# KiCad board Ashwing66_hard_prod.kicad_pcb
title: Ashwing66; date: 2024-05-09; rev: 1; company: James Gzowski
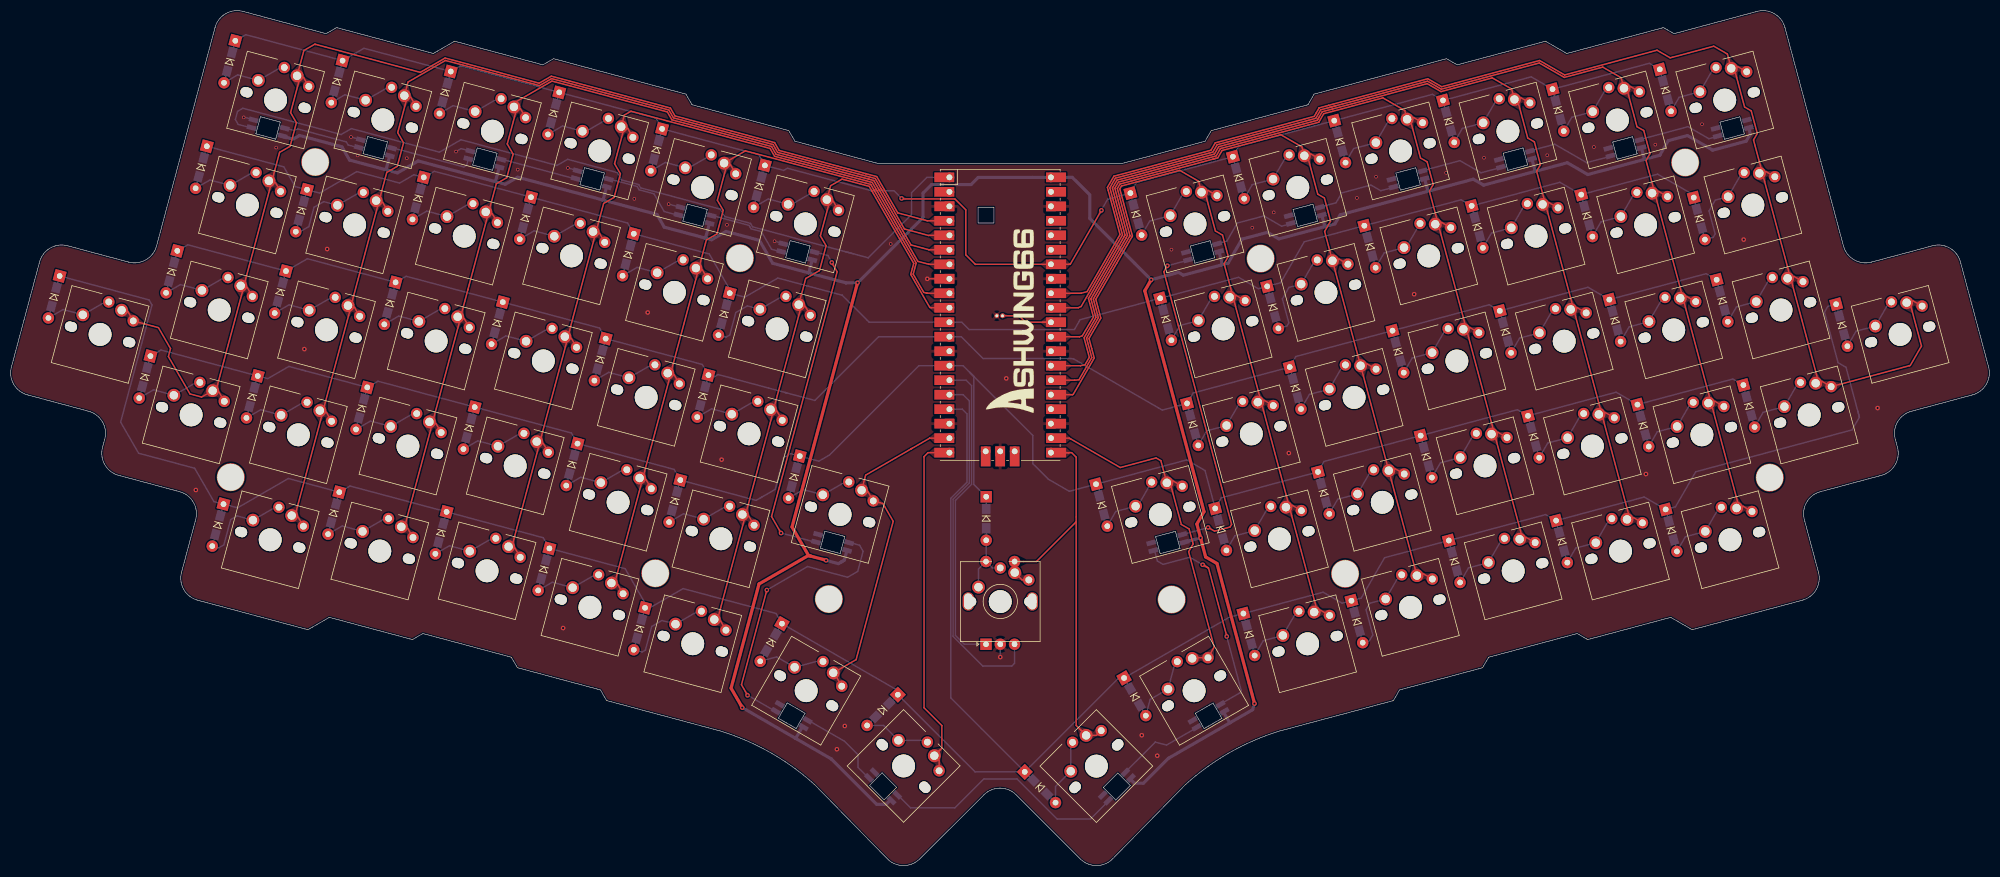
[diagram p0: board, top side]
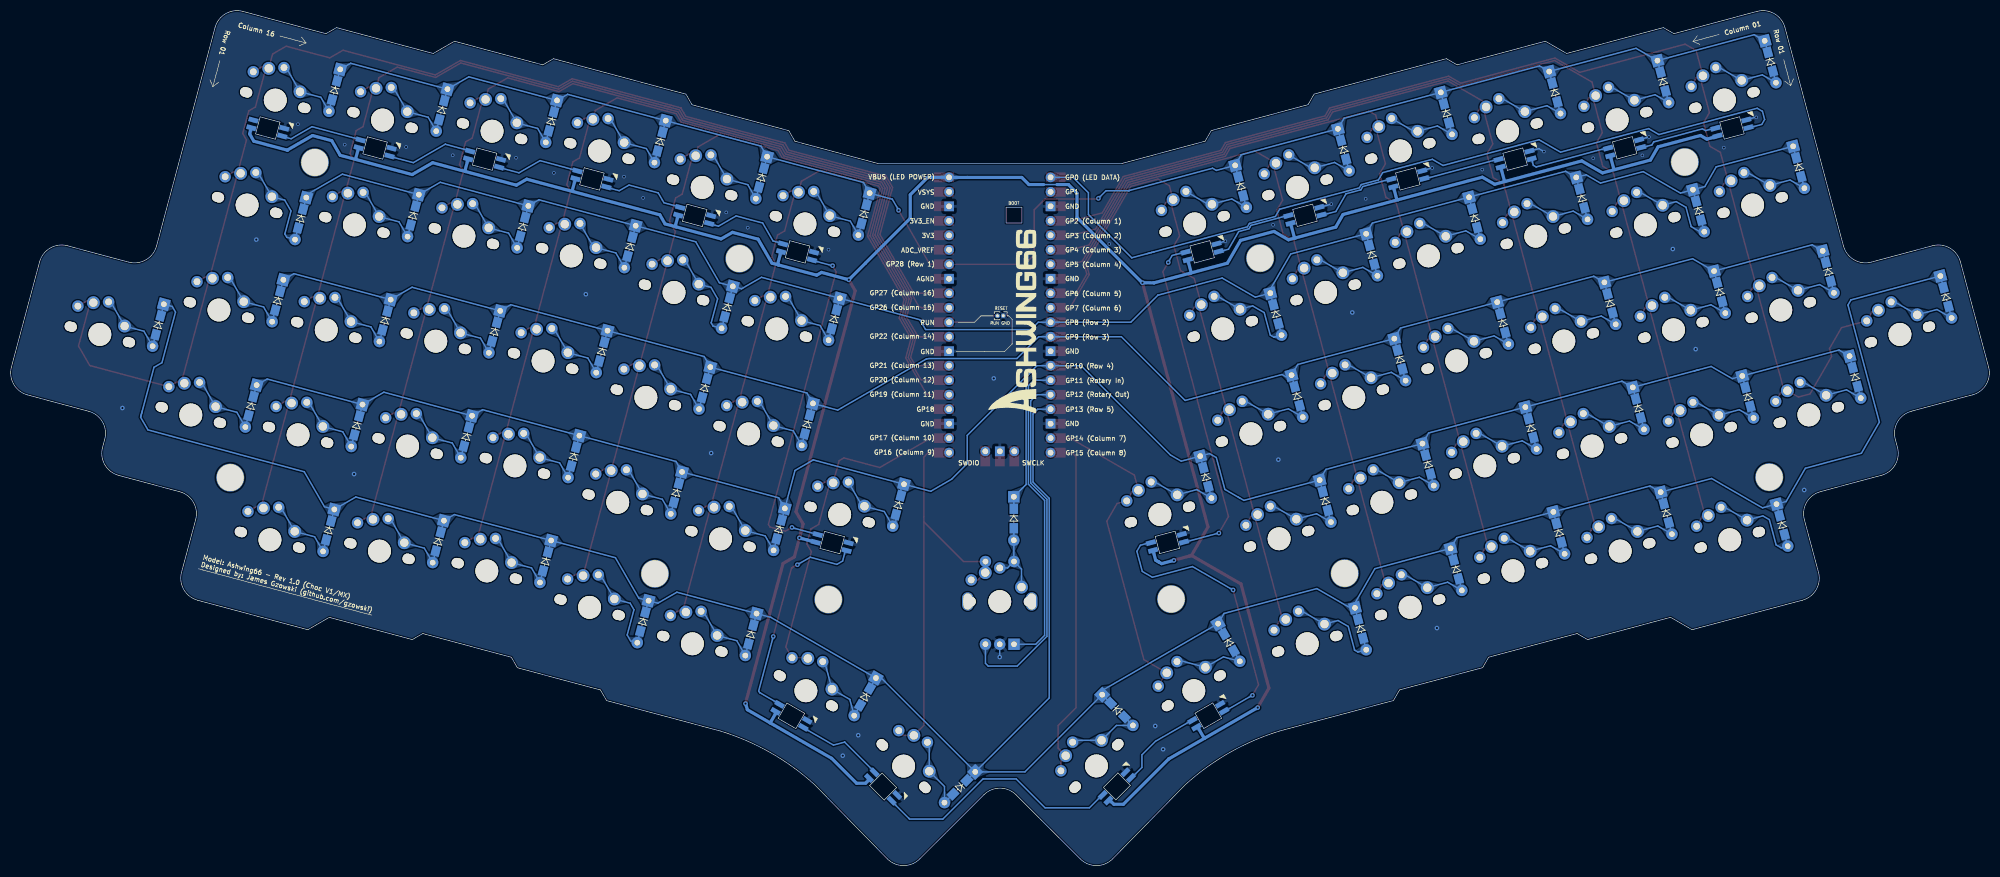
[diagram p1: board, bottom side, seen from below]

Outline 346.6 x 149.89 mm; copper layers: Top, Bottom. Coordinates in mm from the lower left corner of the outline.
Outline path: 169.46,115.42 172.23,115.42 172.23,112.65 169.46,112.65 closed ; 2.97,82.52 arc(0.54,84.38) 0.14,87.42 5.07,105.83 arc(6.93,108.26) 9.97,108.66 20.66,105.8 arc(23.69,106.2) 25.56,108.63 35.8,146.92 arc(37.67,149.35) 40.71,149.75 55.24,145.85 57.09,146.91 74.03,142.37 77.76,144.52 93.22,140.38 95.09,141.46 118.29,135.25 119.35,133.39 136.3,128.85 137.37,127 151.9,123.09 194.69,123.09 209.23,127 210.29,128.85 227.25,133.39 228.31,135.25 251.5,141.46 253.38,140.38 268.84,144.52 272.57,142.37 289.51,146.91 291.36,145.85 305.89,149.75 arc(308.93,149.35) 310.79,146.92 321.04,108.63 arc(322.9,106.2) 325.94,105.8 336.63,108.66 arc(339.66,108.26) 341.53,105.83 346.46,87.42 arc(346.06,84.38) 343.63,82.52 332.94,79.65 arc(330.51,77.79) 330.11,74.75 330.5,73.31 arc(330.1,70.27) 327.67,68.41 317.02,65.56 arc(314.59,63.69) 314.19,60.66 316.67,51.42 arc(316.27,48.39) 313.83,46.52 294.53,41.35 290.78,43.52 276.23,39.62 274.4,40.68 258.89,36.53 257.83,34.69 243.29,30.79 242.21,28.93 222.32,23.6 arc(213.52,19.81) 205.76,14.19 193.02,1.17 arc(190.19,0) 187.36,1.17 176.13,12.4 arc(173.3,13.58) 170.47,12.4 159.24,1.17 arc(156.41,0) 153.58,1.17 140.83,14.19 arc(133.08,19.81) 124.27,23.6 104.39,28.93 103.31,30.79 88.76,34.69 87.7,36.53 72.2,40.68 70.37,39.62 55.82,43.52 52.07,41.35 32.76,46.52 arc(30.33,48.39) 29.93,51.42 32.41,60.66 arc(32.01,63.69) 29.58,65.56 18.93,68.41 arc(16.5,70.27) 16.1,73.31 16.48,74.75 arc(16.08,77.79) 13.65,79.65 2.97,82.52
Stack: Top 0.035mm / dielectric 1.51mm FR4 er 4.5 / Bottom 0.035mm

## Placement (name value [footprint] x y rotation side)
D0  D  [Diode_THT_SOD123F_FIXED6]  38.36 140.92 255 bottom
D1  D  [Diode_THT_SOD123F_FIXED6]  57.15 137.44 255 bottom
D2  D  [Diode_THT_SOD123F_FIXED6]  76.11 135.53 255 bottom
D3  D  [Diode_THT_SOD123F_FIXED6]  95.11 131.87 255 bottom
D4  D  [Diode_THT_SOD123F_FIXED6]  113.12 125.48 255 bottom
D5  D  [Diode_THT_SOD123F_FIXED6]  131.13 119.08 255 bottom
D6  D  [Diode_THT_SOD123F_FIXED6]  197.12 114.21 285 bottom
D7  D  [Diode_THT_SOD123F_FIXED6]  215.08 120.6 285 bottom
D8  D  [Diode_THT_SOD123F_FIXED6]  232.84 126.93 285 bottom
D9  D  [Diode_THT_SOD123F_FIXED6]  251.88 130.46 285 bottom
D10  D  [Diode_THT_SOD123F_FIXED6]  271.07 132.44 285 bottom
D11  D  [Diode_THT_SOD123F_FIXED6]  289.86 135.92 285 bottom
D16  D  [Diode_THT_SOD123F_FIXED6]  33.38 122.43 255 bottom
D17  D  [Diode_THT_SOD123F_FIXED6]  50.93 114.81 255 bottom
D18  D  [Diode_THT_SOD123F_FIXED6]  71.37 116.97 255 bottom
D19  D  [Diode_THT_SOD123F_FIXED6]  90.16 113.5 255 bottom
D20  D  [Diode_THT_SOD123F_FIXED6]  108.17 107.08 255 bottom
D21  D  [Diode_THT_SOD123F_FIXED6]  124.97 96.68 255 bottom
D22  D  [Diode_THT_SOD123F_FIXED6]  202.34 95.78 285 bottom
D23  D  [Diode_THT_SOD123F_FIXED6]  221.08 97.87 285 bottom
D24  D  [Diode_THT_SOD123F_FIXED6]  238.1 108.5 285 bottom
D25  D  [Diode_THT_SOD123F_FIXED6]  256.9 111.98 285 bottom
D26  D  [Diode_THT_SOD123F_FIXED6]  276.09 113.95 285 bottom
D27  D  [Diode_THT_SOD123F_FIXED6]  295.8 113.44 285 bottom
D32  D  [Diode_THT_SOD123F_FIXED6]  7.6 99.69 255 bottom
D32#2  D  [Diode_THT_SOD123F_FIXED6]  137.24 68.11 255 bottom
D32#3  D  [Diode_THT_SOD123F_FIXED6]  28.21 104.09 255 bottom
D33  D  [Diode_THT_SOD123F_FIXED6]  47.24 100.54 255 bottom
D34  D  [Diode_THT_SOD123F_FIXED6]  66.44 98.57 255 bottom
D35  D  [Diode_THT_SOD123F_FIXED6]  85.23 95.1 255 bottom
D36  D  [Diode_THT_SOD123F_FIXED6]  103.24 88.71 255 bottom
D37  D  [Diode_THT_SOD123F_FIXED6]  121.25 82.3 255 bottom
D38  D  [Diode_THT_SOD123F_FIXED6]  207.05 77.34 285 bottom
D39  D  [Diode_THT_SOD123F_FIXED6]  225.03 83.72 285 bottom
D40  D  [Diode_THT_SOD123F_FIXED6]  243.03 90.1 285 bottom
D41  D  [Diode_THT_SOD123F_FIXED6]  261.83 93.58 285 bottom
D42  D  [Diode_THT_SOD123F_FIXED6]  281.02 95.55 285 bottom
D43  D  [Diode_THT_SOD123F_FIXED6]  299.81 99.03 285 bottom
D44  D  [Diode_THT_SOD123F_FIXED6]  191.1 63.19 285 bottom
D44#2  D  [Diode_THT_SOD123F_FIXED6]  320.75 94.74 285 bottom
D48  D  [Diode_THT_SOD123F_FIXED6]  23.51 85.64 255 bottom
D49  D  [Diode_THT_SOD123F_FIXED6]  42.3 82.16 255 bottom
D50  D  [Diode_THT_SOD123F_FIXED6]  61.48 80.15 255 bottom
D51  D  [Diode_THT_SOD123F_FIXED6]  80.3 76.7 255 bottom
D52  D  [Diode_THT_SOD123F_FIXED6]  98.31 70.31 255 bottom
D53  D  [Diode_THT_SOD123F_FIXED6]  116.32 63.9 255 bottom
D54  D  [Diode_THT_SOD123F_FIXED6]  211.98 58.94 285 bottom
D55  D  [Diode_THT_SOD123F_FIXED6]  229.98 65.34 285 bottom
D56  D  [Diode_THT_SOD123F_FIXED6]  247.96 71.7 285 bottom
D57  D  [Diode_THT_SOD123F_FIXED6]  266.76 75.18 285 bottom
D58  D  [Diode_THT_SOD123F_FIXED6]  285.95 77.15 285 bottom
D59  D  [Diode_THT_SOD123F_FIXED6]  304.49 80.56 285 bottom
D64  D  [Diode_THT_SOD123F_FIXED6]  36.3 59.69 255 bottom
D65  D  [Diode_THT_SOD123F_FIXED6]  56.59 61.79 255 bottom
D66  D  [Diode_THT_SOD123F_FIXED6]  75.38 58.33 255 bottom
D67  D  [Diode_THT_SOD123F_FIXED6]  93.39 51.93 255 bottom
D68  D  [Diode_THT_SOD123F_FIXED6]  110.14 41.51 255 bottom
D69  D  [Diode_THT_SOD123F_FIXED6]  133.2 39.12 240 bottom
D69#2  D  [Diode_THT_SOD123F_FIXED6]  152.71 27.27 225 bottom
D69#3  D  [Diode_THT_SOD123F_FIXED6]  170.88 60.85 270 bottom
D70  D  [Diode_THT_SOD123F_FIXED6]  196.94 29.59 300 bottom
D70#2  D  [Diode_THT_SOD123F_FIXED6]  180.33 13.74 315 bottom
D71  D  [Diode_THT_SOD123F_FIXED6]  216.92 40.51 285 bottom
D72  D  [Diode_THT_SOD123F_FIXED6]  235.85 42.76 285 bottom
D73  D  [Diode_THT_SOD123F_FIXED6]  252.9 53.32 285 bottom
D74  D  [Diode_THT_SOD123F_FIXED6]  271.69 56.8 285 bottom
D75  D  [Diode_THT_SOD123F_FIXED6]  290.88 58.76 285 bottom
G***  -  [LOGO]  175.3 95.38 90 top
G***#2  -  [LOGO]  170.86 95.3 90 bottom
K0  Blank  [SW_Cherry_Choc5_MX_1.00u_PCB_LED_SQUAREHOLE#2]  50.17 138.46 345 top
K1  Blank  [SW_Cherry_Choc5_MX_1.00u_PCB_LED_SQUAREHOLE#2]  68.96 134.98 345 top
K2  Blank  [SW_Cherry_Choc5_MX_1.00u_PCB_LED_SQUAREHOLE#2]  88.15 133 345 top
K3  Blank  [SW_Cherry_Choc5_MX_1.00u_PCB_LED_SQUAREHOLE#2]  106.95 129.54 345 top
K4  Blank  [SW_Cherry_Choc5_MX_1.00u_PCB_LED_SQUAREHOLE#2]  124.96 123.15 345 top
K5  Blank  [SW_Cherry_Choc5_MX_1.00u_PCB_LED_SQUAREHOLE#2]  142.97 116.75 345 top
K6  Blank  [SW_Cherry_Choc5_MX_1.00u_PCB_LED_SQUAREHOLE]  208.6 118.05 15 top
K7  Blank  [SW_Cherry_Choc5_MX_1.00u_PCB_LED_SQUAREHOLE]  226.61 124.45 15 top
K8  Blank  [SW_Cherry_Choc5_MX_1.00u_PCB_LED_SQUAREHOLE]  244.61 130.84 15 top
K9  Blank  [SW_Cherry_Choc5_MX_1.00u_PCB_LED_SQUAREHOLE]  263.41 134.31 15 top
K10  Blank  [SW_Cherry_Choc5_MX_1.00u_PCB_LED_SQUAREHOLE]  282.59 136.27 15 top
K11  Blank  [SW_Cherry_Choc5_MX_1.00u_PCB_LED_SQUAREHOLE]  301.38 139.77 15 top
K16  Blank  [SW_Cherry_Choc5_MX_1.00u_PCB_NOMODEL]  45.23 120.05 345 top
K17  Blank  [SW_Cherry_Choc5_MX_1.00u_PCB_NOMODEL]  64.02 116.57 345 top
K18  Blank  [SW_Cherry_Choc5_MX_1.00u_PCB_NOMODEL]  83.22 114.6 345 top
K19  Blank  [SW_Cherry_Choc5_MX_1.00u_PCB_NOMODEL]  102.02 111.14 345 top
K20  Blank  [SW_Cherry_Choc5_MX_1.00u_PCB_NOMODEL]  120.03 104.75 345 top
K21  Blank  [SW_Cherry_Choc5_MX_1.00u_PCB_NOMODEL]  138.04 98.34 345 top
K22  Blank  [SW_Cherry_Choc5_MX_1.00u_PCB_NOMODEL]  213.53 99.65 15 top
K23  Blank  [SW_Cherry_Choc5_MX_1.00u_PCB_NOMODEL]  231.53 106.04 15 top
K24  Blank  [SW_Cherry_Choc5_MX_1.00u_PCB_NOMODEL]  249.54 112.44 15 top
K25  Blank  [SW_Cherry_Choc5_MX_1.00u_PCB_NOMODEL]  268.34 115.91 15 top
K26  Blank  [SW_Cherry_Choc5_MX_1.00u_PCB_NOMODEL]  287.53 117.89 15 top
K27  Blank  [SW_Cherry_Choc5_MX_1.00u_PCB_NOMODEL]  306.32 121.37 15 top
K32  Blank  [SW_Cherry_Choc5_MX_1.00u_PCB_NOMODEL]  40.3 101.65 345 top
K33  Blank  [SW_Cherry_Choc5_MX_1.00u_PCB_NOMODEL]  59.09 98.17 345 top
K34  Blank  [SW_Cherry_Choc5_MX_1.00u_PCB_NOMODEL]  78.3 96.21 345 top
K35  Blank  [SW_Cherry_Choc5_MX_1.00u_PCB_NOMODEL]  97.08 92.73 345 top
K36  Blank  [SW_Cherry_Choc5_MX_1.00u_PCB_NOMODEL]  115.09 86.34 345 top
K37  Blank  [SW_Cherry_Choc5_MX_1.00u_PCB_NOMODEL]  175.88 51.36 0 top
K37#2  Blank  [SW_Cherry_Choc5_MX_1.00u_PCB_NOMODEL]  133.11 79.94 345 top
K38  Blank  [SW_Cherry_Choc5_MX_1.00u_PCB_NOMODEL]  218.46 81.25 15 top
K39  Blank  [SW_Cherry_Choc5_MX_1.00u_PCB_NOMODEL]  236.46 87.64 15 top
K40  Blank  [SW_Cherry_Choc5_MX_1.00u_PCB_NOMODEL]  254.47 94.03 15 top
K41  Blank  [SW_Cherry_Choc5_MX_1.00u_PCB_NOMODEL]  273.27 97.5 15 top
K42  Blank  [SW_Cherry_Choc5_MX_1.00u_PCB_NOMODEL]  292.45 99.47 15 top
K43  Blank  [SW_Cherry_Choc5_MX_1.00u_PCB_NOMODEL]  311.25 102.97 15 top
K44  Blank  [SW_Cherry_Choc5_MX_1.00u_PCB_LED_SQUAREHOLE]  202.52 67.1 15 top
K44#2  Blank  [SW_Cherry_Choc5_MX_1.00u_PCB_NOMODEL]  332.11 98.69 15 top
K48  Blank  [SW_Cherry_Choc5_MX_1.00u_PCB_NOMODEL]  35.38 83.26 345 top
K49  Blank  [SW_Cherry_Choc5_MX_1.00u_PCB_NOMODEL]  54.16 79.77 345 top
K50  Blank  [SW_Cherry_Choc5_MX_1.00u_PCB_NOMODEL]  73.36 77.8 345 top
K51  Blank  [SW_Cherry_Choc5_MX_1.00u_PCB_NOMODEL]  92.15 74.33 345 top
K52  Blank  [SW_Cherry_Choc5_MX_1.00u_PCB_NOMODEL]  110.17 67.95 345 top
K53  Blank  [SW_Cherry_Choc5_MX_1.00u_PCB_NOMODEL]  128.18 61.54 345 top
K54  Blank  [SW_Cherry_Choc5_MX_1.00u_PCB_NOMODEL]  223.39 62.83 15 top
K55  Blank  [SW_Cherry_Choc5_MX_1.00u_PCB_NOMODEL]  241.4 69.25 15 top
K56  Blank  [SW_Cherry_Choc5_MX_1.00u_PCB_NOMODEL]  259.4 75.64 15 top
K57  Blank  [SW_Cherry_Choc5_MX_1.00u_PCB_NOMODEL]  278.2 79.11 15 top
K58  Blank  [SW_Cherry_Choc5_MX_1.00u_PCB_NOMODEL]  297.39 81.08 15 top
K59  Blank  [SW_Cherry_Choc5_MX_1.00u_PCB_NOMODEL]  316.18 84.56 15 top
K60  Blank  [SW_Cherry_Choc5_MX_1.00u_PCB_LED_SQUAREHOLE#2]  149.05 65.81 345 top
K60#2  Blank  [SW_Cherry_Choc5_MX_1.00u_PCB_NOMODEL]  19.43 97.37 345 top
K64  Blank  [SW_Cherry_Choc5_MX_1.00u_PCB_NOMODEL]  49.23 61.37 345 top
K65  Blank  [SW_Cherry_Choc5_MX_1.00u_PCB_NOMODEL]  68.43 59.39 345 top
K66  Blank  [SW_Cherry_Choc5_MX_1.00u_PCB_NOMODEL]  87.22 55.93 345 top
K67  Blank  [SW_Cherry_Choc5_MX_1.00u_PCB_NOMODEL]  105.23 49.53 345 top
K68  Blank  [SW_Cherry_Choc5_MX_1.00u_PCB_NOMODEL]  123.25 43.14 345 top
K69  Blank  [SW_Cherry_Choc5_MX_1.00u_PCB_LED_SQUAREHOLE#2]  161.8 19.27 315 top
K69#2  Blank  [SW_Cherry_Choc5_MX_1.00u_PCB_LED_SQUAREHOLE#3]  144.09 33.79 330 top
K70  Blank  [SW_Cherry_Choc5_MX_1.00u_PCB_LED_SQUAREHOLE#2]  188.39 22.83 45 top
K70#2  Blank  [SW_Cherry_Choc5_MX_1.00u_PCB_LED_SQUAREHOLE#4]  206.96 36.32 30 top
K71  Blank  [SW_Cherry_Choc5_MX_1.00u_PCB_NOMODEL]  228.32 44.45 15 top
K72  Blank  [SW_Cherry_Choc5_MX_1.00u_PCB_NOMODEL]  246.33 50.84 15 top
K73  Blank  [SW_Cherry_Choc5_MX_1.00u_PCB_NOMODEL]  264.33 57.22 15 top
K74  Blank  [SW_Cherry_Choc5_MX_1.00u_PCB_NOMODEL]  283.13 60.7 15 top
K75  Blank  [SW_Cherry_Choc5_MX_1.00u_PCB_NOMODEL]  302.32 62.68 15 top
pico  -  [RPi_Pico_SMD_TH]  173.33 96.53 0 top
RESET  -  [PinHeader_1x02_P1.00mm_Vertical]  172.74 96.39 270 bottom
RotEnc  -  [RotaryEncoder_EC11]  173.35 46.31 90 top
TH3  HOLE  [HOLE_M2_TH]  143.32 46.72 0 top
TH3#2  HOLE  [HOLE_M2_TH]  112.93 51.24 0 top
TH3#3  HOLE  [HOLE_M2_TH]  127.73 106.49 0 top
TH3#4  HOLE  [HOLE_M2_TH]  53.36 123.34 0 top
TH3#5  HOLE  [HOLE_M2_TH]  38.55 68.09 0 top
TH3#6  HOLE  [HOLE_M2_TH]  308.13 68.02 180 bottom
TH3#7  HOLE  [HOLE_M2_TH]  218.95 106.42 180 bottom
TH3#8  HOLE  [HOLE_M2_TH]  293.32 123.27 180 bottom
TH3#9  HOLE  [HOLE_M2_TH]  203.36 46.65 180 bottom
TH3#10  HOLE  [HOLE_M2_TH]  233.75 51.17 180 bottom

## Library data of the parts
D0-D11 D16-D27 D32#3 D33-D43 D44#2 D48-D59 D64-D75 = -: ki_fp_filters: TO-???* *_Diode_* *SingleDiode* D_*
K0-K11 K16 K44 K60 K69 K69#2 K70 K70#2 = -: Field4: 1

## Footprints (pads in the part's own frame, mm; a bottom-side part is the same pattern mirrored in y, then rotated)
Diode_THT_SOD123F_FIXED6
  rect 2x2 hole 1: 1(-3.81,0)
  rect 1.8x1.5 smd: 1(-1.7,0) 2(1.7,0)
  round 1.999 hole 1: 2(3.81,0)
HOLE_M2_TH
  round 4.9 hole 4.7: (0,0)
PinHeader_1x02_P1.00mm_Vertical
  round 0.85 hole 0.5: 1(0,0) 2(0,-1)
RotaryEncoder_EC11
  oval 3.2x2 hole 2.8x1.5 unplated: (0,5.6) (0,-5.6)
  rect 2x2 hole 1: A(-7.5,2.5)
  round 2 hole 1: B(-7.5,-2.5) C(-7.5,0) ROTIN(7,2.5) S1(7,-2.5)
RPi_Pico_SMD_TH
  oval 1.7x1.7 hole 1.02: 1(-8.89,24.13) 2(-8.89,21.59) 4(-8.89,16.51) 5(-8.89,13.97) 6(-8.89,11.43) 7(-8.89,8.89) 9(-8.89,3.81) 10(-8.89,1.27) 11(-8.89,-1.27) 12(-8.89,-3.81) 14(-8.89,-8.89) 15(-8.89,-11.43) 16(-8.89,-13.97) 17(-8.89,-16.51) 19(-8.89,-21.59) 20(-8.89,-24.13) 21(8.89,-24.13) 22(8.89,-21.59) 24(8.89,-16.51) 25(8.89,-13.97) 26(8.89,-11.43) 27(8.89,-8.89) 29(8.89,-3.81) 30(8.89,-1.27) 31(8.89,1.27) 32(8.89,3.81) 34(8.89,8.89) 35(8.89,11.43) 36(8.89,13.97) 37(8.89,16.51) 39(8.89,21.59) 40(8.89,24.13) 41(-2.54,-23.9) 43(2.54,-23.9)
  rect 3.5x1.7 smd: 1(-8.89,24.13) 2(-8.89,21.59) 3(-8.89,19.05) 4(-8.89,16.51) 5(-8.89,13.97) 6(-8.89,11.43) 7(-8.89,8.89) 8(-8.89,6.35) 9(-8.89,3.81) 10(-8.89,1.27) 11(-8.89,-1.27) 12(-8.89,-3.81) 13(-8.89,-6.35) 14(-8.89,-8.89) 15(-8.89,-11.43) 16(-8.89,-13.97) 17(-8.89,-16.51) 18(-8.89,-19.05) 19(-8.89,-21.59) 20(-8.89,-24.13) 21(8.89,-24.13) 22(8.89,-21.59) 23(8.89,-19.05) 24(8.89,-16.51) 25(8.89,-13.97) 26(8.89,-11.43) 27(8.89,-8.89) 28(8.89,-6.35) 29(8.89,-3.81) 30(8.89,-1.27) 31(8.89,1.27) 32(8.89,3.81) 33(8.89,6.35) 34(8.89,8.89) 35(8.89,11.43) 36(8.89,13.97) 37(8.89,16.51) 38(8.89,19.05) 39(8.89,21.59) 40(8.89,24.13)
  rect 1.7x1.7 hole 1.02: 3(-8.89,19.05) 8(-8.89,6.35) 13(-8.89,-6.35) 18(-8.89,-19.05) 23(8.89,-19.05) 28(8.89,-6.35) 33(8.89,6.35) 38(8.89,19.05) 42(0,-23.9)
  rect 1.7x3.5 smd: 41(-2.54,-23.9) 42(0,-23.9) 43(2.54,-23.9)
SW_Cherry_Choc5_MX_1.00u_PCB_LED_SQUAREHOLE
  round 1.7 hole 1.7 unplated: (-8.04,-5.08) (2.96,-5.08)
  round 1.75 hole 1.75 unplated: (-7.62,-5.08) (2.54,-5.08)
  round 4 hole 4 unplated: (-2.54,-5.08)
  round 2.25 hole 1.47: 1(0,0)
  rect 1.7x0.825 smd far side: 1(0.257,-10.85) 2(0.257,-9.45) 3(-5.343,-9.45) 4(-5.343,-10.85)
  round 2 hole 1.2: 1(2.46,-1.28) 2(-2.54,0.82)
  oval 2.25x2.25 hole 1.47: 2(-6.35,-2.54)
SW_Cherry_Choc5_MX_1.00u_PCB_LED_SQUAREHOLE#2
  round 1.7 hole 1.7 unplated: (-8.04,-5.08) (2.96,-5.08)
  round 1.75 hole 1.75 unplated: (-7.62,-5.08) (2.54,-5.08)
  round 4 hole 4 unplated: (-2.54,-5.08)
  round 2.25 hole 1.47: 1(0,0)
  rect 1.7x0.825 smd far side: 1(0.257,-10.85) 2(0.257,-9.45) 3(-5.343,-9.45) 4(-5.343,-10.85)
  round 2 hole 1.2: 1(2.46,-1.28) 2(-2.54,0.82)
  oval 2.25x2.25 hole 1.47: 2(-6.35,-2.54)
SW_Cherry_Choc5_MX_1.00u_PCB_LED_SQUAREHOLE#3
  round 1.7 hole 1.7 unplated: (-8.04,-5.08) (2.96,-5.08)
  round 1.75 hole 1.75 unplated: (-7.62,-5.08) (2.54,-5.08)
  round 4 hole 4 unplated: (-2.54,-5.08)
  round 2.25 hole 1.47: 1(0,0)
  rect 1.7x0.825 smd far side: 1(0.257,-10.85) 2(0.257,-9.45) 3(-5.343,-9.45) 4(-5.343,-10.85)
  round 2 hole 1.2: 1(2.46,-1.28) 2(-2.54,0.82)
  oval 2.25x2.25 hole 1.47: 2(-6.35,-2.54)
SW_Cherry_Choc5_MX_1.00u_PCB_LED_SQUAREHOLE#4
  round 1.7 hole 1.7 unplated: (-8.04,-5.08) (2.96,-5.08)
  round 1.75 hole 1.75 unplated: (-7.62,-5.08) (2.54,-5.08)
  round 4 hole 4 unplated: (-2.54,-5.08)
  round 2.25 hole 1.47: 1(0,0)
  rect 1.7x0.825 smd far side: 1(0.257,-10.85) 2(0.257,-9.45) 3(-5.343,-9.45) 4(-5.343,-10.85)
  round 2 hole 1.2: 1(2.46,-1.28) 2(-2.54,0.82)
  oval 2.25x2.25 hole 1.47: 2(-6.35,-2.54)
SW_Cherry_Choc5_MX_1.00u_PCB_NOMODEL
  round 1.7 hole 1.7 unplated: (-8.04,-5.08) (2.96,-5.08)
  round 1.75 hole 1.75 unplated: (-7.62,-5.08) (2.54,-5.08)
  round 4 hole 4 unplated: (-2.54,-5.08)
  round 2.25 hole 1.47: 1(0,0)
  round 2 hole 1.2: 1(2.46,-1.28) 2(-2.54,0.82)
  oval 2.25x2.25 hole 1.47: 2(-6.35,-2.54)

## Nets
3V3: pico.36
3V3EN: pico.37
GND: K0.3 K1.3 K2.3 K3.3 K4.3 K5.3 K6.3 K7.3 K8.3 K9.3 K10.3 K11.3 K44.3 K60.3 K69.3 K69#2.3 K70.3 K70#2.3 pico.3 pico.8 pico.13 pico.18 pico.23 pico.28 pico.33 pico.38 pico.42 RESET.1 RotEnc.C
VBUS: pico.40
Col_0: K16.1 K32.1 K48.1 K60#2.1 pico.4
Col_0|VBUS: K0.1
Col_1: K17.1 K33.1 K49.1 K64.1 pico.5
Col_1|VBUS: K1.1
Col_2: K18.1 K34.1 K50.1 K65.1 pico.6
Col_2|VBUS: K2.1
Col_3: K19.1 K35.1 K51.1 K66.1 pico.7
Col_3|VBUS: K3.1
Col_4: K20.1 K36.1 K52.1 K67.1 pico.9
Col_4|VBUS: K4.1
Col_5: K21.1 K37#2.1 K53.1 K68.1 pico.10
Col_5|VBUS: K5.1
Col_6: pico.19
Col_6|VBUS: K60.1 K69#2.1
Col_7: pico.20
Col_7|VBUS: K69.1
Col_8: K37.1 pico.21 RotEnc.S1
Col_8|VBUS: K70.1
Col_9: pico.22
Col_9|VBUS: K44.1 K70#2.1
Col_10: K22.1 K38.1 K54.1 K71.1 pico.25
Col_10|VBUS: K6.1
Col_11: K23.1 K39.1 K55.1 K72.1 pico.26
Col_11|VBUS: K7.1
Col_12: K24.1 K40.1 K56.1 K73.1 pico.27
Col_12|VBUS: K8.1
Col_13: K25.1 K41.1 K57.1 K74.1 pico.29
Col_13|VBUS: K9.1
Col_14: K26.1 K42.1 K58.1 K75.1 pico.31
Col_14|VBUS: K10.1
Col_15: K27.1 K43.1 K44#2.1 K59.1 pico.32
Col_15|VBUS: K11.1
LED1: K0.4 pico.1
LED2: K1.4
LED2|Net-(D0-A): K0.2
LED3: K2.4
LED3|Net-(D1-A): K1.2
LED4: K3.4
LED4|Net-(D2-A): K2.2
LED5: K4.4
LED5|Net-(D3-A): K3.2
LED6: K5.4
LED6|Net-(D4-A): K4.2
LED7: K60.4
LED7|Net-(D5-A): K5.2
LED8: K69#2.4
LED8|Net-(D60-A): K60.2
LED9: K69.4
LED9|Net-(D69-A): K69#2.2
LED10: K70.4
LED10|NET-(DEXT-A): K69.2
LED11: K70#2.4
LED11|Net-(D61-A): K70.2
LED12: K44.4
LED12|Net-(D70-A): K70#2.2
LED13: K6.4
LED13|NET-(D80-A): K44.2
LED14: K7.4
LED14|Net-(D6-A): K6.2
LED15: K8.4
LED15|Net-(D7-A): K7.2
LED16: K9.4
LED16|Net-(D8-A): K8.2
LED17: K10.4
LED17|Net-(D9-A): K9.2
LED18: K11.4
LED18|Net-(D10-A): K10.2
NET-(D80-A): D44.2
NET-(DEXT-A): D69#2.2
ROT_BUT: D69#3.2 K37.2 RotEnc.ROTIN
ROT_IN: pico.15 RotEnc.A
ROT_OUT: pico.16 RotEnc.B
Row_0: D0.1 D1.1 D2.1 D3.1 D4.1 D5.1 D6.1 D7.1 D8.1 D9.1 D10.1 D11.1 pico.34
Row_1: D16.1 D17.1 D18.1 D19.1 D20.1 D21.1 D22.1 D23.1 D24.1 D25.1 D26.1 D27.1 pico.11
Row_2: D32#3.1 D33.1 D34.1 D35.1 D36.1 D37.1 D38.1 D39.1 D40.1 D41.1 D42.1 D43.1 pico.12
Row_3: D32#2.1 D44.1 D48.1 D49.1 D50.1 D51.1 D52.1 D53.1 D54.1 D55.1 D56.1 D57.1 D58.1 D59.1 D69#3.1 pico.14
Row_4: D32.1 D44#2.1 D64.1 D65.1 D66.1 D67.1 D68.1 D69.1 D69#2.1 D70.1 D70#2.1 D71.1 D72.1 D73.1 D74.1 D75.1 pico.17
RUN: pico.30 RESET.2
VSYS: pico.39
Net-(D0-A): D0.2
Net-(D1-A): D1.2
Net-(D2-A): D2.2
Net-(D3-A): D3.2
Net-(D4-A): D4.2
Net-(D5-A): D5.2
Net-(D6-A): D6.2
Net-(D7-A): D7.2
Net-(D8-A): D8.2
Net-(D9-A): D9.2
Net-(D10-A): D10.2
Net-(D11-A): D11.2 K11.2
Net-(D16-A): D16.2 K16.2
Net-(D17-A): D17.2 K17.2
Net-(D18-A): D18.2 K18.2
Net-(D19-A): D19.2 K19.2
Net-(D20-A): D20.2 K20.2
Net-(D21-A): D21.2 K21.2
Net-(D22-A): D22.2 K22.2
Net-(D23-A): D23.2 K23.2
Net-(D24-A): D24.2 K24.2
Net-(D25-A): D25.2 K25.2
Net-(D26-A): D26.2 K26.2
Net-(D27-A): D27.2 K27.2
Net-(D32-A): D32#3.2 K32.2
Net-(D33-A): D33.2 K33.2
Net-(D34-A): D34.2 K34.2
Net-(D35-A): D35.2 K35.2
Net-(D36-A): D36.2 K36.2
Net-(D37-A): D37.2 K37#2.2
Net-(D38-A): D38.2 K38.2
Net-(D39-A): D39.2 K39.2
Net-(D40-A): D40.2 K40.2
Net-(D41-A): D41.2 K41.2
Net-(D42-A): D42.2 K42.2
Net-(D43-A): D43.2 K43.2
Net-(D44-A): D44#2.2 K44#2.2
Net-(D48-A): D48.2 K48.2
Net-(D49-A): D49.2 K49.2
Net-(D50-A): D50.2 K50.2
Net-(D51-A): D51.2 K51.2
Net-(D52-A): D52.2 K52.2
Net-(D53-A): D53.2 K53.2
Net-(D54-A): D54.2 K54.2
Net-(D55-A): D55.2 K55.2
Net-(D56-A): D56.2 K56.2
Net-(D57-A): D57.2 K57.2
Net-(D58-A): D58.2 K58.2
Net-(D59-A): D59.2 K59.2
Net-(D60-A): D32.2 D32#2.2 K60#2.2
Net-(D61-A): D70#2.2
Net-(D64-A): D64.2 K64.2
Net-(D65-A): D65.2 K65.2
Net-(D66-A): D66.2 K66.2
Net-(D67-A): D67.2 K67.2
Net-(D68-A): D68.2 K68.2
Net-(D69-A): D69.2
Net-(D70-A): D70.2
Net-(D71-A): D71.2 K71.2
Net-(D72-A): D72.2 K72.2
Net-(D73-A): D73.2 K73.2
Net-(D74-A): D74.2 K74.2
Net-(D75-A): D75.2 K75.2

Pads without a net: pico 2 24 35 41 43

## Via types
v1: diameter 0.6, hole 0.4, Top to Bottom, 24 vias
v2: diameter 0.8, hole 0.4, Top to Bottom, 34 vias
